# Altium PCB pcb.PcbDoc
Units mm, origin at the board's own origin, x right, y up, seen from the top; angles counter-clockwise.
Board outline 78.91 x 51.73 mm, 2 copper layers (Top Layer, Bottom Layer); 17 components, 21 nets, 80 pads, 4 vias.
Unrouted connection lines stored in the file: 3.
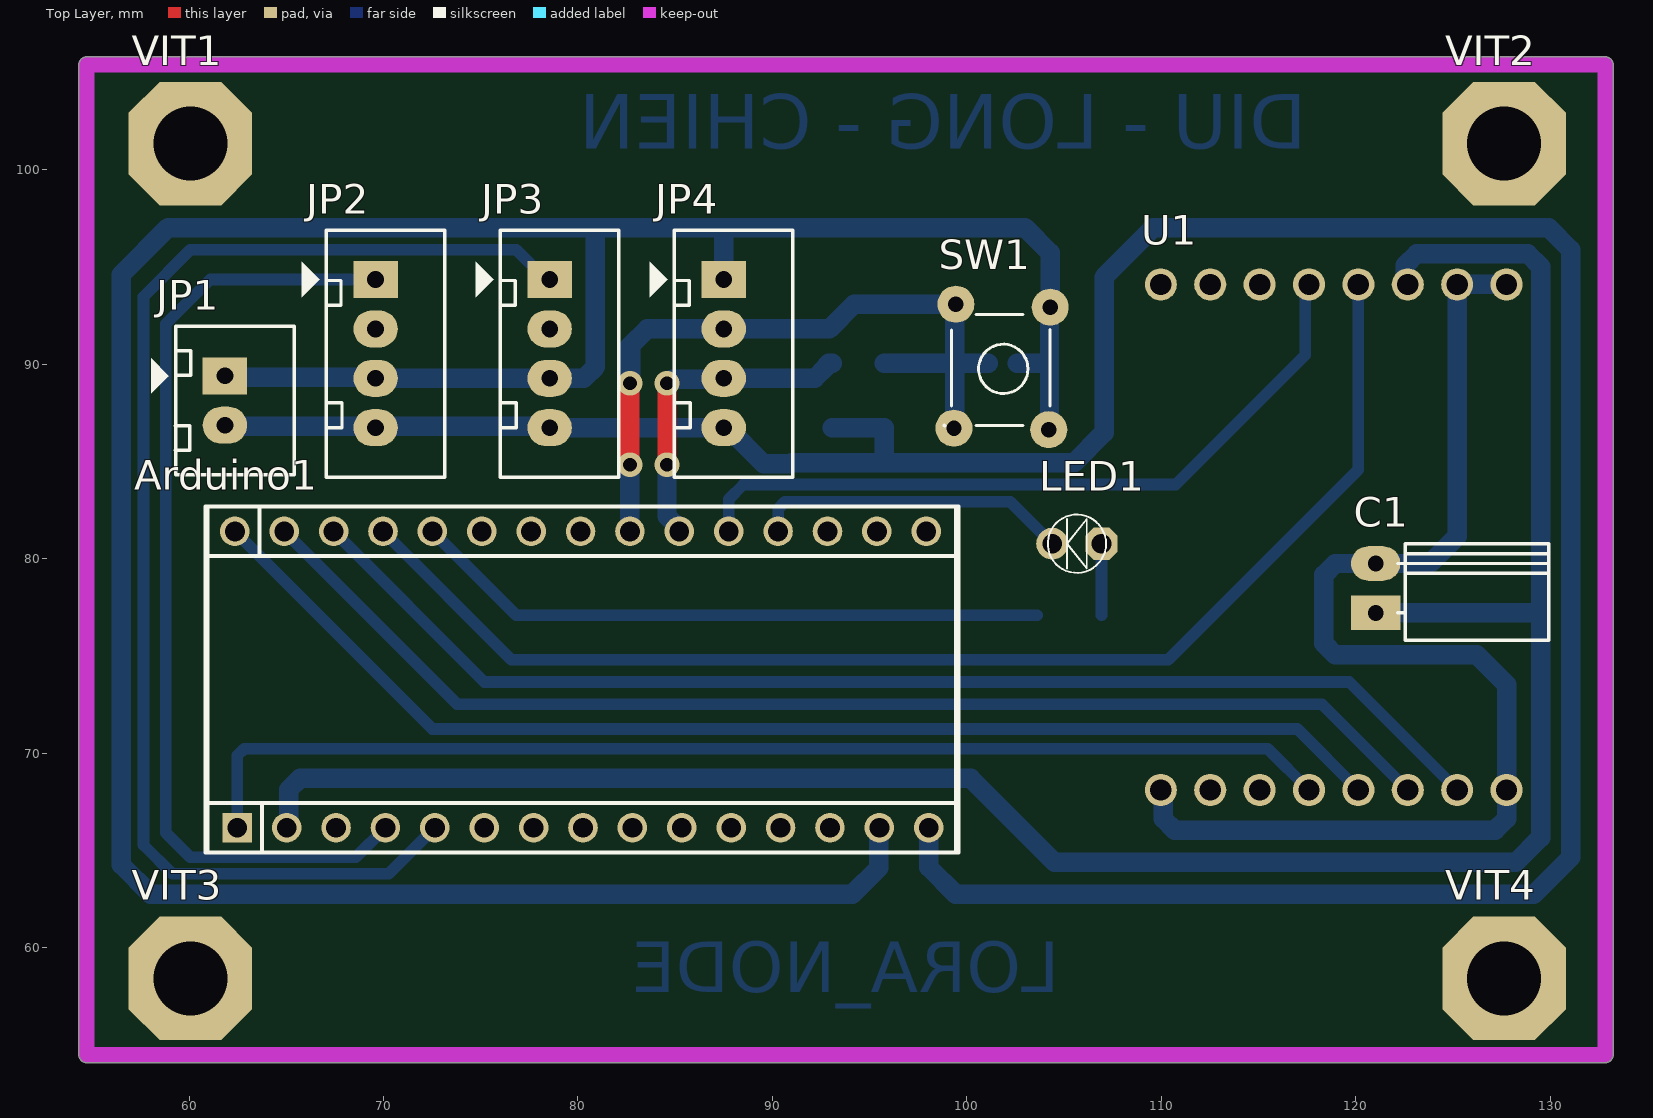
[diagram p0: Top Layer view]
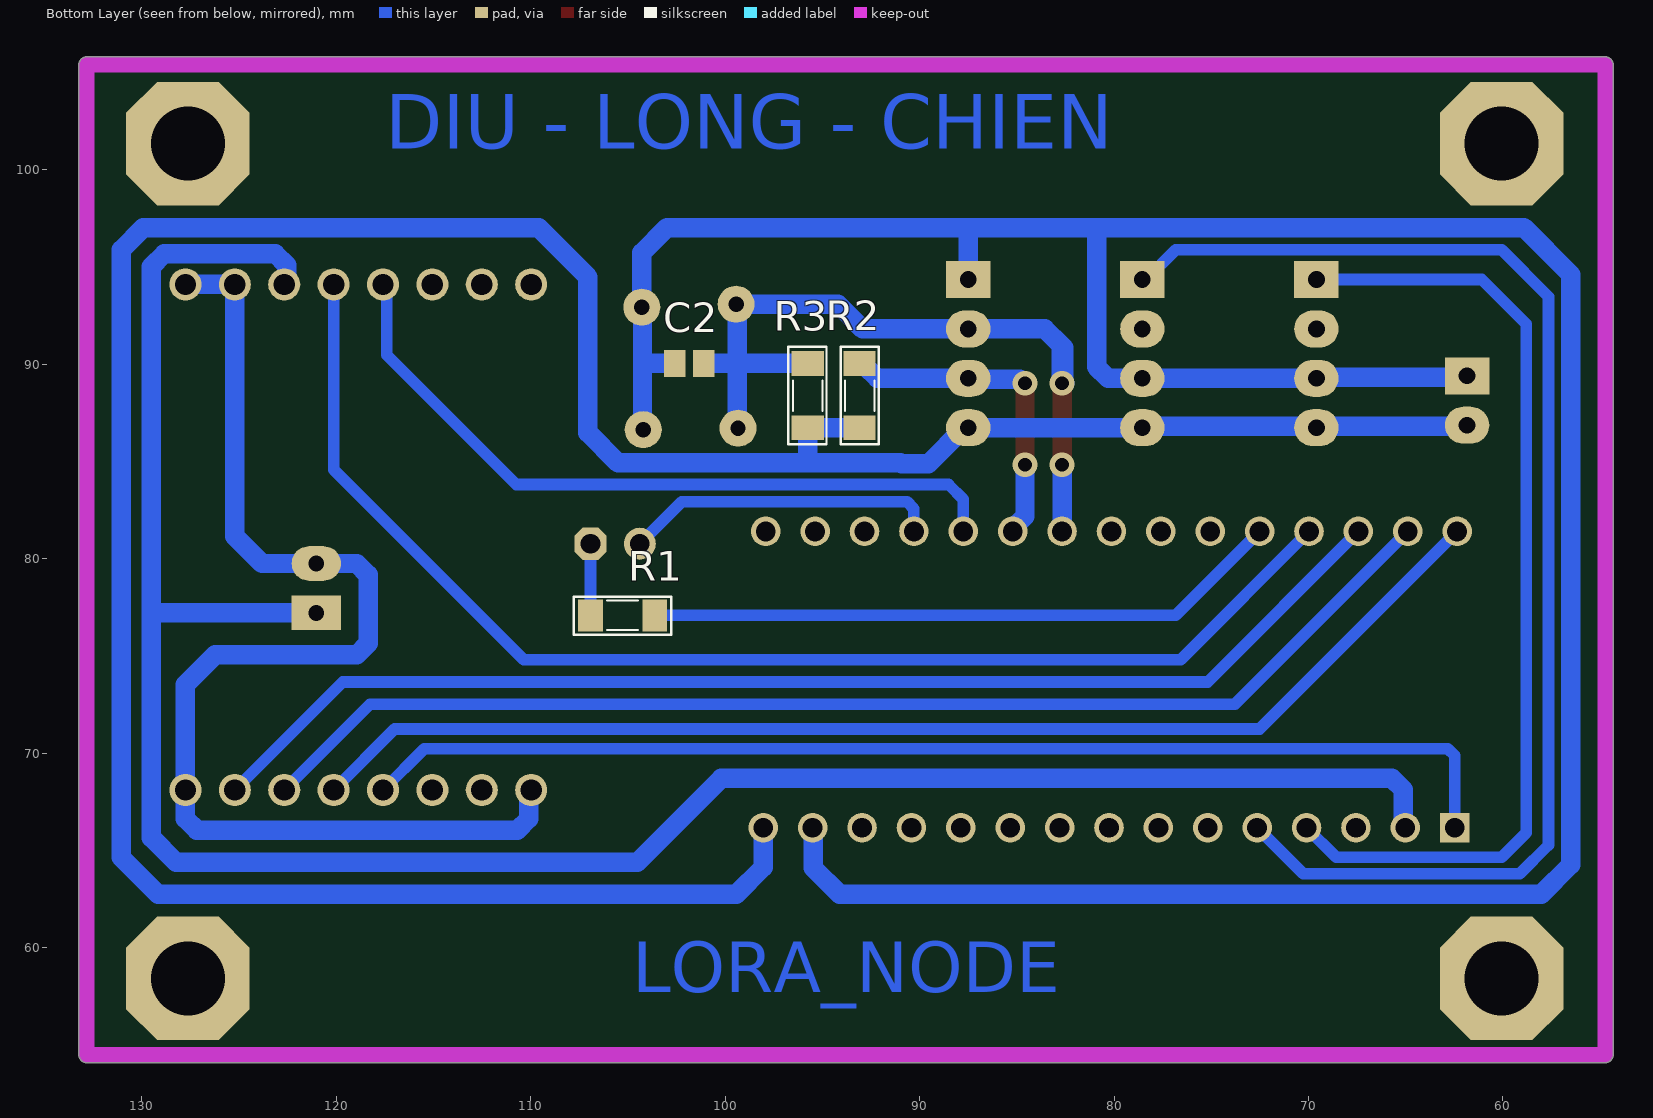
[diagram p1: Bottom Layer view, seen from below]

## Layer stack, top to bottom
Top Layer: signal copper 0.0356
Dielectric: dielectric 0.32, FR-4, Dk 4.8
Bottom Layer: signal copper 0.0356

## Board outline
54.337,54.483 ccw(c54.737,54.483) 54.737,54.083 132.842,54.083 ccw(c132.842,54.483) 133.242,54.483 133.242,105.41 ccw(c132.842,105.41) 132.842,105.81 54.737,105.81 ccw(c54.737,105.41) 54.337,105.41

## Design rules (kind name [scope] priority, off if disabled: settings)
Clearance [All] p1: gap=0.254
PolygonConnect [All] p1: connectstyle=Relief reliefconductorwidth=0.254 reliefentries=4 polygonreliefangle="90 Angle"
RoutingVias [All] p1: holewidth=0.711 width=1.27 viastyle="Through Hole" minholewidth=0.711 minwidth=1.27 maxholewidth=0.711 maxwidth=1.27
SilkscreenOverComponentPads SilkToSolderMaskClearance [IsPad] p1: minsilkscreentomaskgap=0.254
SolderMaskExpansion [All] p1: expansion=0.102
Width [All] p1: maxlimit=1 minlimit=0.3 preferedwidth=0.6
27 further rules are at their usual default settings.

## Components (designator, comment, footprint, x,y, rotation, side; value= is the part's Value field where it differs from the comment)
Arduino1 "Arduino Nano" "Arduino Nano" 80.391,73.025 r270 top
C1 "CN-ALU-DIP" CA-ALU-5W 121.031,77.216 r90 top
C2 "Capacitor Ceramic" C0805 101.854,90.043 r180 bottom
JP1 "JP2" CON2 61.849,89.408 r270 top
JP2 "JP4" CON4 69.596,94.361 r270 top
JP3 "JP4" CON4 78.549,94.361 r270 top
JP4 "JP4" CON4 87.503,94.361 r270 top
LED1 "LED" LED-3MM-YELLOW 106.934,80.772 r180 top
R1 "Res" RES-SMD-1206 105.283,77.089 r0 bottom
R2 "Res" RES-SMD-1206 93.091,88.392 r270 bottom
R3 "Res" RES-SMD-1206 95.758,88.392 r90 bottom
SW1 "SW" SW4 104.292,92.939 r270 top
U1 "Lora-02 SX1278" Lora02-sx1278 109.855,94.107 r270 top
VIT1 "1" VIT 60.071,101.346 r0 top
VIT2 "1" VIT 127.635,101.346 r0 top
VIT3 "1" VIT 60.071,58.42 r0 top
VIT4 "1" VIT 127.635,58.42 r0 top

## Footprints (in the part's own frame and the unit in brackets; to place one, negate y for a bottom-side part, rotate by r counter-clockwise, add the part's x,y. Pads: shape width x height; smd on the part's side, far side on the other; paste and mask are expansions set on the pad)
"Arduino Nano" [mm]
  round 1.52 hole 1.02: 3V3(6.858,-15.367) 5V(6.858,10.033) A0(6.858,-10.287) A1(6.858,-7.747) A2(6.858,-5.207) A3(6.858,-2.667) A4(6.858,-0.127) A5(6.858,2.413) A6(6.858,4.953) A7(6.858,7.493) D2(-8.382,7.366) D3(-8.382,4.826) D4(-8.382,2.286) D5(-8.382,-0.254) D6(-8.382,-2.794) D7(-8.382,-5.334) D8(-8.382,-7.874) D9(-8.382,-10.414) D10(-8.382,-12.954) D11(-8.382,-15.494) D12(-8.382,-18.034) GND(-8.382,9.906) GND(6.858,15.113) REF(6.858,-12.827) RST(-8.382,12.446) RST(6.858,12.573) RX0(-8.382,14.986) TX1(-8.382,17.526) VIN(6.858,17.653)
  rect 1.52x1.52 hole 1.02: D13(6.858,-17.907)
  silkscreen extent -9.65,-19.55 8.13,19.18, body extent -9.65,-23.48 8.14,21.44, height 21.18
C0805 [mm] "Chip Capacitor, Body 2.0x1.3mm, IPC High Density"
  rect 1.1x1.4 smd: 1(-0.75,0) 2(0.75,0)
  body extent -1.1,-0.72 1.1,0.72, height 1.4
CA-ALU-5W [mil] "Tu hoa < 22uF/16>50V"
  rect 70x100 hole 32: 1(0,0)
  oval 70x100 hole 32: 2(100,0)
  silkscreen extent -55,-350 140,-45, body extent -54,-351 144,16, height 199
CON2 [mil] "CON2"
  rect 75x90 hole 34: 1(0,0)
  oval 75x90 hole 34: 2(100,0)
  silkscreen extent -100,-150 200,140, body extent -68,-70 168,107, height 236
CON4 [mil] "CON4"
  rect 75x90 hole 34: 1(0,0)
  oval 75x90 hole 34: 2(100,0) 3(200,0) 4(300,0)
  silkscreen extent -100,-150 400,140, body extent -90,-90 398,136, height 276
LED-3MM-YELLOW [mil]
  oct 65x65 hole 40: 1(0,0)
  round 65 hole 40: 2(100,0)
  silkscreen extent -9,-59 109,59, body extent -27,-77 117,80, height 181
Lora02-sx1278 [mm]
  round 1.65 hole 1.1: 1(0,17.907) 2(0,15.367) 3(0,12.827) 4(0,10.287) 5(0,7.747) 6(0,5.207) 7(0,2.667) 8(0,0.127) 9(26,17.907) 10(26,15.367) 11(26,12.827) 12(26,10.287) 13(26,7.747) 14(26,5.207) 15(26,2.667) 16(26,0.127)
  body extent -1.27,-1.14 27.31,19.38, height 11.5
RES-SMD-1206 [mil]
  rect 50x65 smd: 1(-65,0) 2(65,0)
  silkscreen extent -99,-38 99,39, body extent -63,-31 63,32, height 40
SW4 [mil] "SW button 4pin, 250 x250 mil"
  round 75 hole 31: 1(0,0) 2(245,-195) 3(248,-3) 4(-6,-191)
  silkscreen extent 15,-215 240,0, body extent -36,-220 276,24, height 276
VIT [mm] "VIT"
  oct 6.35x6.35 hole 3.81: VIT1(0,0)

## Part data
Arduino1: "Arduino NANO"
C1: "Capacitor (Semiconductor SIM Model)"
C2: library part CapSMD, "Capacitor"
JP1: library part Con2, "Connector 2"
JP2 JP3 JP4: library part Con4, "Connector 4"
LED1: "LED Single colour Green and Red"
R1 R2 R3: library part Res-SMD, "Resistor"
SW1: library part SW4, "Switch button 4 pin"
U1: "Lora-02 sx1278"
VIT1 VIT2 VIT3 VIT4: library part VIT, "Oc Vit"

## Via types
v1: diameter 1.27, hole 0.711, Top Layer to Bottom Layer, 4 vias

## Nets (pads, with @x,y where several pads share a name; then routed paths per layer and width w, separated by ;. In a path a pad name is that pad's centre, name@x,y a point inside that pad or via, vN(x,y) a via of type N, cw(c..) or ccw(c..) an arc to the next point about the centre after c; other vN are vias at no path point)
3V3: Arduino1.3V3 C1.1 U1.3 | length 115.3
  Bottom Layer w1: Arduino1.3V3 65.123,66.266 65.123,68.121 65.709,68.707 100.203,68.707 104.521,64.389 128.242,64.389 129.512,65.659 129.512,77.216 ; C1.1 129.512,77.216 ; U1.3 122.558,94.231 122.558,95.1 123.143,95.686 128.85,95.686 129.512,95.024 129.512,77.216
+5: Arduino1.VIN JP1.2 JP2.4 JP3.4 JP4.4 R2.2 R3.1 | length 152.4
  Bottom Layer w1: JP1.2 61.912,86.804 78.486,86.804 JP3.4 JP4.4 87.694,86.741 89.56,84.874 90.932,84.874 90.991,84.933 95.631,84.933 ; R2.2 R3.1 95.758,85.06 95.631,84.933 ; Arduino1.VIN 98.044,64.135 99.441,62.738 129.159,62.738 131.064,64.643 131.064,95.885 129.921,97.028 109.601,97.028 107.061,94.488 107.061,86.487 105.507,84.933 95.631,84.933
ANALOG: Arduino1.A1 JP3.1 | length 67.3
  Bottom Layer w0.6: Arduino1.A1 70.269,63.792 59.144,63.792 57.658,65.278 57.658,93.472 60.071,95.885 76.835,95.885 78.359,94.361 JP3.1
BUTTON: Arduino1.D4 C2.2 JP4.2 R3.2 SW1.2 SW1.4 | length 41
  Top Layer w1: v1(82.677,84.836) v1(82.677,89.027)
  Bottom Layer w1: v1@82.55,89.027 82.602,89.079 82.602,90.857 82.729,90.984 ; Arduino1.D4 v1(82.677,84.836) ; v1(82.677,89.027) 82.729,89.079 82.729,90.984 ; R3.2 99.39,90.043 ; SW1.2 99.39,86.766 99.39,90.043 ; C2.2 99.39,90.043 ; 82.729,90.984 83.566,91.821 JP4.2 92.932,91.821 94.202,93.091 SW1.4 99.39,93.04 99.39,90.043
DHT11: Arduino1.D3 JP4.3 R2.1 | length 16.8
  Top Layer w1: v1(84.582,84.836) v1(84.582,89.027)
  Bottom Layer w1: v1(84.582,84.836) 84.582,82.183 85.217,81.548 Arduino1.D3 ; v1(84.582,89.027) 84.655,89.027 84.86,89.232 87.454,89.232 JP4.3 92.18,89.281 92.765,89.867 92.765,89.908 92.9,90.043 R2.1
DIO0: Arduino1.D2 U1.5 | length 38.1
  Bottom Layer w0.6: Arduino1.D2 87.757,83.058 88.519,83.82 110.744,83.82 117.401,90.477 117.401,93.906 U1.5
DIO1: U1.6
DIO2: U1.7
DIO3: U1.8
DIO4: U1.15
DIO5: U1.14
GAS: Arduino1.A0 JP2.1 | length 50.4
  Bottom Layer w0.6: JP2.1 61.087,94.361 58.801,92.075 58.801,65.913 60.068,64.646 68.583,64.646 Arduino1.A0
GND: Arduino1.GND C1.2 C2.1 JP1.1 JP2.3 JP3.3 JP4.1 LED1.2 SW1.1 SW1.3 U1.1 U1.2 U1.9 U1.16 | length 241.7
  Bottom Layer w0.6: Arduino1.GND@90.297,81.407 90.297,82.58 90.648,82.931 102.235,82.931 LED1.2
  Bottom Layer w1: JP1.1 61.912,89.344 69.532,89.344 JP2.3 80.313,89.281 80.899,89.867 80.899,96.901 81.026,97.028 ; JP4.1 87.503,97.028 ; Arduino1.GND@95.504,66.167 95.477,66.14 95.477,64.108 94.107,62.738 58.039,62.738 56.515,64.262 56.515,94.615 58.928,97.028 81.026,97.028 ; C2.1 104.254,90.043 ; SW1.3 104.254,86.677 104.254,90.043 ; U1.16@109.982,67.98 110.106,67.856 110.106,66.626 110.692,66.04 127.176,66.04 127.762,66.626 127.762,73.533 126.238,75.057 118.95,75.057 118.364,75.643 118.364,79.17 118.95,79.756 C1.2 123.825,79.756 125.222,81.153 U1.2@125.222,93.98 ; U1.2 U1.2@125.222,93.98 ; U1.1@127.762,93.98 127.635,94.107 125.349,94.107 U1.2@125.222,93.98 ; 81.026,97.028 87.503,97.028 ; 87.503,97.028 102.997,97.028 104.292,95.733 SW1.1 104.254,92.9 104.254,90.043
LED: Arduino1.D8 R1.1 | length 32.9
  Bottom Layer w0.6: Arduino1.D8 76.835,77.089 R1.1
LORA_RST: Arduino1.D9 U1.4 | length 66.5
  Bottom Layer w0.6: Arduino1.D9 76.581,74.803 110.363,74.803 120.142,84.582 U1.4
MISO: Arduino1.D12 U1.12 | length 63.5
  Bottom Layer w0.6: Arduino1.D12 72.517,71.247 117.002,71.247 U1.12 ; U1.12@119.847,67.812 U1.12@120.015,67.644
MOSI: Arduino1.D11 U1.11 | length 63.5
  Bottom Layer w0.6: Arduino1.D11 73.787,72.517 118.272,72.517 U1.11 ; U1.11@122.387,67.812 U1.11@122.555,67.644
NetLED1_1: LED1.1 R1.2 | length 3.7
  Bottom Layer w0.6: R1.2 LED1.1
NSS: Arduino1.D10 U1.10 | length 63.5
  Bottom Layer w0.6: Arduino1.D10 75.184,73.66 119.669,73.66 U1.10 ; U1.10@124.927,67.812 U1.10@125.095,67.644
RST: Arduino1.RST
SCK: Arduino1.D13 U1.13 | length 59.9
  Bottom Layer w0.6: Arduino1.D13 62.484,69.88 62.835,70.231 115.478,70.231 U1.13
pads on no net: Arduino1.5V Arduino1.A2 Arduino1.A3 Arduino1.A4 Arduino1.A5 Arduino1.A6 Arduino1.A7 Arduino1.D5 Arduino1.D6 Arduino1.D7 Arduino1.REF Arduino1.RX0 Arduino1.TX1 JP2.2 JP3.2 VIT1.VIT1 VIT2.VIT1 VIT3.VIT1 VIT4.VIT1

## Keep-outs
Keep-Out Layer:
  lines w0.8: 54.737,54.483 132.842,54.483 132.842,105.41 54.737,105.41 54.737,54.483

## Other copper
Bottom Layer:
  text "DIU - LONG - CHIEN" at 117.483,101.084 h2.8
  text "LORA_NODE" at 104.783,57.702 h2.6